# Altium PCB 控制板.PcbDoc (part 3 of 12)
Units mil, origin at the board's own origin, x right, y up, seen from the top; angles counter-clockwise.
Board outline 8150.4 x 2246.9 mil, 6 copper layers (TopLayer, MidLayer1, MidLayer2, MidLayer3, MidLayer4, BottomLayer); 1570 components, 853 nets, 4888 pads, 1859 vias.
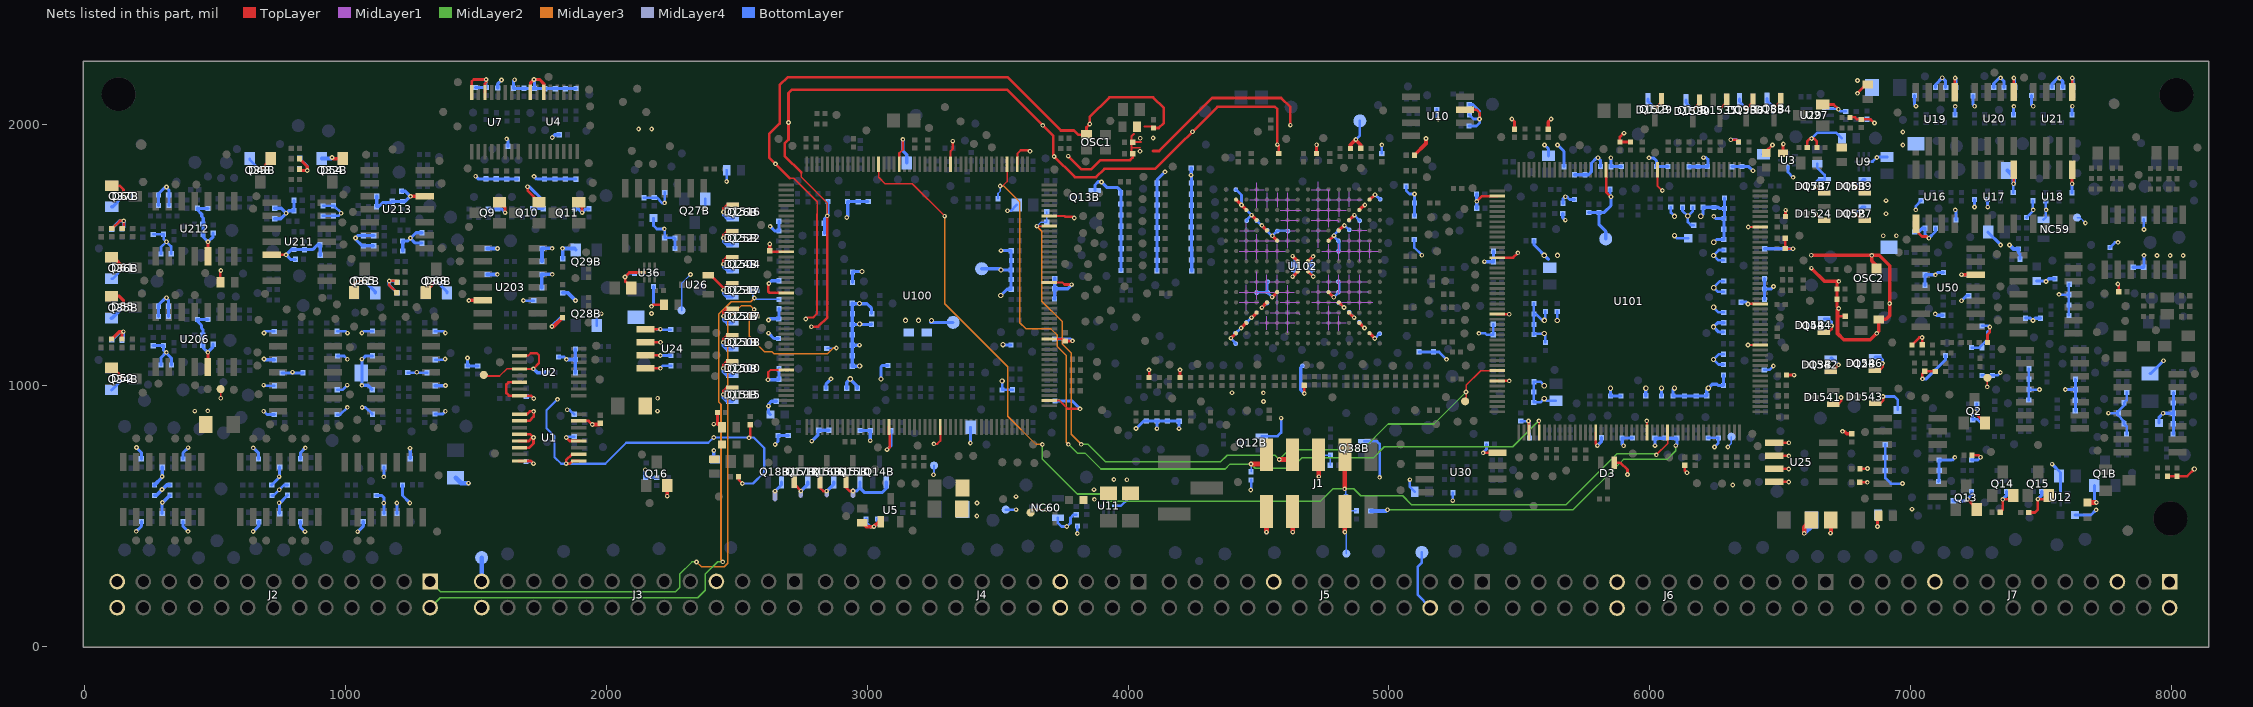
[diagram p7: the nets of this part, all layers, seen from the top]

## Via types
v1: diameter 18, hole 8, TopLayer to BottomLayer, tented both sides, 1737 vias
v2: diameter 20, hole 12, TopLayer to BottomLayer, tented both sides, 71 vias
v3: diameter 22, hole 12, TopLayer to BottomLayer, tented both sides, 51 vias

## Nets (pads, with @x,y where several pads share a name; then routed paths per layer and width w, separated by ;. In a path a pad name is that pad's centre, name@x,y a point inside that pad or via, vN(x,y) a via of type N, cw(c..) or ccw(c..) an arc to the next point about the centre after c; other vN are vias at no path point)
GND: C4.1 C5.2 C6.1 C7.1 C8.2 C9.1 C10.2 C11.2 C12.1 C13.2 C14.1 C15.2 C16.1 C17.2 C18.2 C19.1 C20.2 C21.2 C22.2 C23.1 C24.1 C25.1 C26.2 C27.2 C28.1 C29.1 C30.1 C31.1 C32.2 C33.1 C34.1 C35.2 C36.2 C37.2 C38.2 C39.1 C40.2 C41.1 C42.1 C43.2 C44.2 C45.2 C46.1 C47.1 C48.1 C49.1 C50.2 C51.1 C52.2 C53.1 C54.1 C55.1 C56.2 C57.1 C58.1 C59.1 C60.2 C61.2 C62.2 C63.1 C64.2 C65.1 C66.2 C67.1 C68.2 C100.1 C101.1 C102.2 C103.2 C104.1 C110.2 C111.2 C116.2 C123.2 C124.1 C126.2 C127.2 C128.2 C130.1 C131.1 C132.1 C133.2 C134.1 C135.2 C136.1 C137.1 C138.1 C140.2 C141.1 C142.2 C143.1 C144.2 C145.2 C146.1 C147.1 C148.1 C149.1 C150.1 C151.1 C152.1 C153.2 C154.2 C155.1 C156.1 C157.2 C158.1 C159.1 C160.2 C161.2 C162.1 C163.1 C164.2 C165.2 C167.2 C168.1 C169.1 C170.2 C171.1 C172.1 C173.1 C174.1 C175.2 C176.1 C177.1 C178.1 C179.1 C180.2 C181.1 C182.1 C183.1 C184.1 C185.2 C186.1 C187.2 C188.1 C189.1 C190.2 C191.2 C192.2 C193.2 C194.1 C195.1 C196.1 C197.1 C198.2 C199.2 C200.2 C201.2 C202.1 C203.1 C204.1 C205.1 C206.1 C207.2 C208.1 C209.1 C210.1 C211.1 C212.1 C213.1 C214.1 C215.1 C216.1 C217.1 C218.1 C219.1 C220.1 C221.1 C222.1 C223.2 C224.2 C225.2 C226.2 C227.2 C228.2 C229.2 C230.2 C231.1 C232.1 C233.2 C234.2 C235.2 C236.2 C237.2 C238.2 C239.2 C240.2 C241.2 C242.2 C243.2 C244.1 C245.1 C246.1 C247.2 C248.2 C249.2 C250.1 C251.1 C252.2 C253.1 C254.1 C255.2 C256.1 C257.1 C258.2 C259.1 C260.1 C261.1 C262.1 C263.2 C264.1 C265.1 C266.2 C267.2 C268.1 C269.2 C270.2 C271.2 C272.1 C273.1 C274.2 C275.2 C276.1 C277.2 C278.2 C279.1 C280.1 C281.1 C282.1 C283.1 C284.1 C285.1 C286.2 C287.2 C288.2 C289.2 C290.2 C300.1 C301.1 C302.1 C303.1 C304.1 C305.1 C306.1 C307.1 C308.1 C309.1 C310.1 C311.1 C312.1 C313.1 C314.1 C315.1 C316.1 C317.1 C318.1 C319.1 C320.1 C321.1 C322.1 C323.2 C324.2 C325.2 C326.1 C327.1 C328.1 C329.2 C330.2 C331.2 C332.1 C333.1 C334.1 C335.1 C336.1 C337.1 C338.2 C339.2 C340.2 C341.1 C342.1 C343.1 C344.1 C345.1 C346.1 C347.1 C348.1 C349.1 C350.2 C351.1 C352.1 C353.1 C354.1 C355.1 C356.1 C357.1 C358.2 C359.2 C360.1 C361.1 C362.1 C363.1 C364.1 C365.1 C366.2 C367.2 C368.2 C369.1 C370.1 C371.2 C372.2 C373.2 C374.2 C375.2 C376.2 C377.2 C378.2 C379.2 C380.1 C381.2 C382.2 C383.1 C384.2 C385.2 C387.1 C388.1 C389.2 C390.2 C391.2 C392.2 C393.2 C394.2 C395.2 C396.2 C397.1 C398.1 C399.2 C400.2 C401.2 C402.2 C403.2 C404.2 C405.2 C406.2 C407.2 C408.2 C409.2 C410.1 C411.1 C413.1 C414.2 C415.1 C416.1 C417.1 C418.2 C419.1 C420.1 C421.2 C422.2 C423.1 C424.1 C425.2 C428.2 C429.1 C430.2 C431.1 C433.1 C434.2 C438.1 C439.1 C440.2 C442.1 C443.1 C444.2 C446.1 C447.2 C448.2 C449.1 C450.2 C451.2 C452.2 C453.1 C454.2 C455.2 C456.1 C457.1 C458.2 C459.2 C460.1 C461.2 C462.2 C463.1 C465.2 C466.2 C467.1 C469.1 C470.2 C473.2 C474.1 C475.1 C476.2 C477.2 C478.1 C479.2 C480.1 C481.2 C482.1 C483.1 C484.2 C485.2 C486.1 C487.2 C488.1 C492.2 C493.1 C495.1 C496.1 C497.1 C498.2 D3.1 D48.1 D52.1 D54.1 D55.1 D60.1 D61.1 D65.1 D68.1 D1500.1 D1504.1 D1506.1 D1507.1 D1508.1 D1510.1 D1513.1 D1515.1 D1516.1 D1517.1 D1522.1 D1524.1 D1527.1 D1529.1 D1530.1 D1534.1 D1535.1 D1536.1 D1537.1 D1539.1 D1541.1 D1542.1 D1543.1 D1544.1 D1546.1 J1.8 J1.10 J2.25 J2.26 J3.7 J3.25 J3.26 J4.7 J4.8 J5.6 J5.17 J6.17 J6.18 J7.1 J7.2 J7.5 J7.19 NC1.1 NC13.2 NC21.1 NC26.2 NC31.2 NC39.1 NC40.1 NC45.1 NC46.1 NC47.1 NC50.1 NC52.2 NC53.1 NC54.1 NC55.2 NC56.1 NC57.1 NC59.2 NC60.2 NC61.2 OSC1.2 OSC2.2 pad.14@521.1,986.7 pad.85@1529.9,1040.5 pad.102@2288.4,1287.8 pad.144@3256.1,693.4 pad.145@3531.1,524.2 pad.183@3626.3,513 pad.286@7294.9,1029.6 pad.295@7639,1643.8 pad.362 Q1B.2 Q2.2 Q2B.1 Q3B.1 Q4B.1 Q5B.1 Q6B.1 Q7B.1 Q8B.1 Q9.2 Q9B.1 Q10.2 Q10B.1 Q11.2 Q11B.1 Q12B.1 Q13.2 Q13B.1 Q14.2 Q14B.1 Q15.2 Q15B.1 Q16.2 Q16B.1 Q17B.1 Q18B.1 Q19B.1 Q20B.1 Q21B.1 Q22B.1 Q23B.1 Q24B.1 Q25B.1 Q26B.1 Q27B.2 Q28B.1 Q29B.1 Q30B.1 Q31B.1 Q32B.1 Q33B.1 Q34B.1 Q35B.1 Q36B.1 Q37B.1 Q38B.1 R19.2 R30.1 R40.1 R42.2 R52.1 R53.1 R58.2 R96.1 R108.2 R111.2 R125.1 R190.1 R193.2 R196.2 R199.2 R250.1 R251.1 R252.1 R260.1 R261.1 R262.1 R263.1 R266.2 R270.2 R279.1 R280.2 R288.2 R292.2 R294.1 R298.1 R303.1 R305.1 R310.2 R321.2 R330.1 R352.2 R367.2 R369.1 R370.1 R373.1 R375.1 R378.2 R379.2 R380.2 R381.2 R382.2 R387.2 R388.2 R390.2 R394.2 R395.2 R399.1 R400.1 R401.2 R402.2 R403.2 R404.1 R405.2 R407.2 R413.2 R416.2 R417.2 R418.2 R425.1 R426.1 R430.1 R451.1 R452.2 R471.1 R477.1 R481.1 R482.1 R483.1 R496.2 R497.2 R500.2 R504.2 R505.2 R506.2 R507.2 R508.2 R540.2 R543.2 R550.1 R565.2 R566.2 R577.2 R578.2 R579.2 R580.2 R581.2 R582.2 R592.1 R594.2 R596.2 R606.2 R607.2 R610.2 R611.2 R616.2 R618.2 R619.2 R622.2 R625.2 R636.2 R638.2 R639.1 R641.2 R664.1 R666.1 R669.2 R675.2 R676.2 R677.1 R679.2 R687.2 R690.2 R695.2 R698.2 R706.1 R709.1 R713.1 R716.1 R742.1 R744.1 R745.2 R749.1 R752.2 R755.1 R761.1 R767.2 R768.2 R771.2 R773.1 R776.2 R782.2 R783.1 R792.2 R793.2 R796.1 R797.2 R799.2 R800.1 R803.2 TP191.1 TP204.1 TP1100.1 TP1106.1 TP1521.1 TP1522.1 U1.1 U1.2 U1.4 U1.5 U1.6 U1.8 U1.9 U1.10 U1.12 U1.15 U2.2 U2.4 U2.6 U2.8 U3.8 U4.6 U4.8 U5.1 U7.6 U7.8 U9.8 U10.3 U11.8 U12.8 U16.1 U17.1 U18.1 U19.1 U20.1 U21.1 U24.1 U24.2 U24.3 U24.4 U25.1 U25.2 U25.3 U25.4 U26.2 U27.1 U29.2 U30.4 U36.8 U50.12 U100.14 U100.22 U100.37 U100.61 U100.71 U100.90 U100.102 U100.113 U100.126 U100.135 U100.148 U100.158 U101.14 U101.22 U101.37 U101.61 U101.71 U101.90 U101.102 U101.113 U101.126 U101.135 U101.148 U101.158 U102.B2 U102.B15 U102.C3 U102.C14 U102.D4 U102.D13 U102.E5 U102.E12 U102.F6 U102.F11 U102.H8 U102.H9 U102.J8 U102.J9 U102.L6 U102.L11 U102.M5 U102.M12 U102.N4 U102.N13 U102.P3 U102.P14 U102.R2 U102.R15 U203.12 U206.12 U211.12 U212.12 U213.12 | length 54374.4
  TopLayer w6: pad.14@521.1,986.7 521.5,986.3 v1(521.5,951.3) ; pad.85@1529.9,1040.5 1533.9,1036.5 1590.4,1036.5 1617.51,1063.61 U2.4@1666.5,1063.61 ; 2703.4,1794.4 2718.2,1794.4 2808,1704.6 2808,1656.5 ; 2747.4,1816.1 2747.4,1799.8 2846.9,1700.3 v1(2846.9,1650.5) ; pad.183@3626.3,513 3637.5,524.2 v1(3686.5,524.2) ; 4013.6,1911.3 4047.6,1911.3 ; v1(6377.1,1155.7) 6377.29,1155.51 U101.14@6424,1155.51 ; v1(7294.4,995) 7294.9,995.5 pad.286@7294.9,1029.6
  TopLayer w8: U2.4@1666.5,1063.61 1718.91,1063.61 1741.5,1086.2 1741.5,1116.3 1734,1123.8 1709.4,1123.8 1700.47,1114.87 U2.2@1666.5,1114.87 ; 2619.9,1050.5 2629.54,1060.14 U100.37@2689,1060.14 ; C50.2@2626.5,1516.5 2630.11,1512.89 U100.14@2689,1512.89 ; v1(2764.4,1255) 2769.9,1260.5 2792.2,1260.5 2807.1,1275.4 2807.1,1655.6 2808,1656.5 ; U100.158@3122.73,1848.5 3122.73,1890.83 3136.5,1904.6 ; v1(3255.3,776.3) 3268.4,776.3 3280.21,788.11 U100.71@3280.21,840.8 ; U100.148@3319.58,1848.5 3319.58,1898.98 3328,1907.4 ; U100.135@3575.49,1848.5 3575.49,1888.18 3589.4,1902.1 ; U100.90@3697.8,942.03 3737.87,942.03 3769.2,910.7 ; U100.102@3697.8,1178.25 3752.45,1178.25 C43.2@3759.4,1171.3 ; U100.113@3697.8,1394.78 3749.12,1394.78 3757.2,1386.7 ; U100.126@3697.8,1650.69 3756.71,1650.69 3760.3,1647.1 ; C42.1@4017.8,1888.4 4013.4,1892.8 4013.4,1955.7 4021.9,1964.2 ; C41.1@4017.8,1933 4048.7,1933 ; 4064,1993 4091.9,1993 C39.1@4097.4,1987.5 ; U101.148@5793.42,819.9 5793.42,775.58 v1(5799.6,769.4) ; v1(5988.8,864.8) 5990.27,863.33 U101.158@5990.27,819.9 ; U101.61@6029.64,1827.6 6029.64,1766.06 v1@6048.6,1747.1 ; v1(6378,1608.2) 6378.06,1608.26 U101.37@6424,1608.26
  TopLayer w10: R196.2@103.6,1602.1 105.3,1602.1 134.5,1631.3 v1(149.4,1631.3) 149,1630.9 149,1607.5 C65.1@143.6,1602.1 ; D60.1@103.6,1766.3 133.2,1766.3 148.6,1750.9 v1(148.6,1726.7) ; U212.12@472.53,1495.5 472.53,1550.63 v1(472.8,1550.9) ; C63.1@519.9,1396.7 519.9,1439.3 v1(521.9,1441.3) ; U211.12@716.6,1501.17 771.63,1501.17 v1(771.9,1500.9) ; D65.1@1032.4,1356.3 1032.4,1386.7 1046.2,1400.5 v1(1072.8,1400.5) ; R190.1@1196.5,1355.9 1196.5,1356.3 1167.4,1385.4 v1(1167.4,1400.9) 1168.2,1401.7 1191.1,1401.7 C67.1@1196.9,1395.9 ; U7.8@1483.4,2123.8 1483.4,2164.9 1491.9,2173.4 v1(1539,2173.4) 1539,2162.5 1534.66,2158.16 U7.6@1534.66,2123.8 ; U1.8@1666.5,710.6 1710.2,710.6 v1(1720.3,700.5) ; U1.6@1666.5,761.86 1704.66,761.86 1720.7,777.9 1720.7,800.9 1708.49,813.11 U1.4@1666.5,813.11 ; U1.5@1666.5,787.49 1702.69,787.49 1715.7,800.5 v1(1720.7,800.5) ; U1.2@1666.5,864.37 1704.67,864.37 1721.1,880.8 v1(1721.1,900.9) 1706.5,900.9 1695.6,890 U1.1@1666.5,890 ; U2.6@1666.5,1012.36 1624.66,1012.36 1616.5,1004.2 1616.5,970.9 1626.3,961.1 1710.9,961.1 v1(1721.5,950.5) ; v1(1697.8,1762.1) 1697.8,1747.7 1742.2,1703.3 Q10.2@1742.4,1703.3 ; v1(1846.1,800.5) 1859.11,787.49 U1.12@1894,787.49 ; U1.9@1894,710.6 1870,710.6 1859.9,700.5 v1(1845.7,700.5) 1845.7,714.4 1867.53,736.23 U1.10@1894,736.23 ; U1.15@1894,864.37 1931.83,864.37 v1@1945.3,850.9 ; C58.1@2096.1,1374.2 2096.1,1375.4 2072.8,1398.7 2072.8,1418.2 2088,1433.4 U36.8@2140.5,1433.4 ; U24.4@2149.9,1066.5 2206.3,1066.5 v1(2206.9,1065.9) ; U24.3@2149.9,1116.3 2206.1,1116.3 v1(2206.9,1115.5) ; U24.2@2149.9,1166.1 2207.2,1166.1 v1(2207.4,1165.9) ; U24.1@2149.9,1215.9 2206.5,1215.9 v1(2206.9,1216.3) ; v1(2173.2,1303.8) 2178.6,1309.2 C57.1@2220.3,1309.2 ; U26.2@2390.1,1423.1 2399.7,1423.1 2449,1373.8 v1(2449,1365.9) 2449,1373.1 2467.2,1391.3 D1517.1@2482.4,1391.3 ; 2425.9,850.6 C52.2@2425.9,896.9 ; v1(2447.8,965.3) 2447.8,978.4 2460.3,990.9 D1515.1@2482.4,990.9 ; v1(2448.2,1065.9) 2448.2,1079.4 2460.1,1091.3 D1500.1@2482.4,1091.3 ; v1(2448.2,1165.5) 2448.2,1178.8 2461.5,1192.1 D1508.1@2482.8,1192.1 ; v1(2448.6,1465.5) 2448.6,1479.8 2460.1,1491.3 D1504.1@2483,1491.3 ; v1(2448.6,1565.9) 2448.6,1577.9 2461.8,1591.1 D1522.1@2483,1591.1 ; v1(2448.6,1665) 2448.6,1678.6 2461.7,1691.7 D1516.1@2483.6,1691.7 ; v1(2449,1265.9) 2449,1282.3 2458.8,1292.1 D1507.1@2483.6,1292.1 ; C55.1@2506.9,650 2506.9,638.8 v1(2521.1,624.6) ; v1(2546.5,799.6) 2551.7,804.8 C51.1@2551.7,849.6 ; v1(2619.9,1022.1) 2619.9,1050.5 ; v1(2622.8,1391.3) 2620.7,1389.2 2620.7,1360.2 2625.49,1355.41 U100.22@2689,1355.41 ; 2703.4,1794.4 2624,1873.8 2624,1963.6 2664.4,2004 2664.4,2151.4 2695.5,2182.5 3538,2182.5 3742.7,1977.8 3792.7,1977.8 3808.8,1961.7 OSC1.2@3840.8,1961.7 3840.8,1990.1 v1(3853.2,2002.5) 3853.2,2029.6 3928.4,2104.8 4096.3,2104.8 4137.1,2064 4137.1,2007.3 4117.3,1987.5 C39.1@4097.4,1987.5 ; D1513.1@2720.3,630.5 2720.3,622.1 2746.1,596.3 2746.1,595.4 v1(2745.7,595) ; 2747.4,1816.1 2683.8,1879.7 2683.8,1928.4 2698.2,1942.8 2698.2,2121.7 2710.9,2134.4 3536.3,2134.4 3712.8,1957.9 3712.8,1882.5 3796.1,1799.2 3877.8,1799.2 3909.5,1830.9 4104.2,1830.9 4342.1,2068.8 4563.2,2068.8 4572.6,2059.4 v1(4572.6,1923.4) 4577.6,1918.4 R125.1@4577.6,1889.6 ; v1(2785.7,1225.5) 2812.2,1225.5 2846.9,1260.2 v1(2846.9,1650.5) ; D1506.1@2819,630 2819,607.5 2831.5,595 v1(2844.4,595) ; D1510.1@2919,630.9 2919,608.4 2931.9,595.5 v1(2945.3,595.5) ; v1(3075.7,754.2) 3086.5,765 3086.5,811.4 3083.36,814.54 U100.61@3083.36,840.8 ; 3136.5,1904.6 v1(3136.5,1943.8) ; 3328,1907.4 v1(3328,1937.1) ; 3589.4,1902.1 3620.3,1902.1 v1(3624,1898.4) ; 3760.3,1647.1 3788.8,1647.1 v1(3793.8,1642.1) ; 3769.2,910.7 v1(3816.1,910.7) ; v1(3770.7,1879.6) 3821.5,1828.8 3858.6,1828.8 3893.8,1864 4008.2,1864 4017.8,1873.6 C42.1@4017.8,1888.4 ; R111.2@4080.7,1030.8 v1(4080.7,1060.3) ; 4095.7,1899.2 4119,1899.2 4322.3,2102.5 4587,2102.5 4622.4,2067.1 v1(4622.4,1998.4) ; R108.2@4199.2,1031 4199.2,1059.6 v1(4199.6,1060) ; R96.1@4675.3,1001.3 4676.1,1000.5 v1(4676.1,969.2) ; U10.3@5291.9,2057.6 5336.1,2057.6 5347.8,2045.9 v1(5347.8,2021.9) ; v1(5336.9,1706.3) 5356.97,1726.37 U101.90@5415.2,1726.37 ; v1(5361.5,742.1) 5361.7,741.9 U30.4@5416.5,741.9 ; U101.126@5415.2,1017.71 5461.61,1017.71 v1(5461.7,1017.8) ; U101.113@5415.2,1273.62 5461.28,1273.62 v1(5461.5,1273.4) ; U101.102@5415.2,1490.15 5475.95,1490.15 v1(5494.4,1508.6) ; v1(5535.3,864) 5537.51,861.78 U101.135@5537.51,819.9 ; U101.71@5832.79,1827.6 5832.79,1742.91 v1(5851.9,1723.8) ; D3.1@5864.4,703.8 5888.6,703.8 5915.1,677.3 v1(5915.1,659) ; v1(5901.5,1967.8) 5899.7,1967.8 5885.7,1953.8 5885.7,1939.4 5891.3,1933.8 C33.1@5926.5,1933.8 ; v1(6020.1,2063.2) 6021.6,2063.2 6045.7,2087.3 D1529.1@6045.7,2096.7 ; R58.2@6134.6,694.1 6134.6,673.7 v1(6142.8,665.5) ; v1(6165.7,2058.2) 6190.9,2083.4 D1530.1@6190.9,2091.9 ; v1(6270.1,2060.3) 6295.3,2085.5 D1535.1@6295.3,2094.8 ; v1(6310.9,1942.5) 6332,1942.5 C19.1@6340.9,1933.6 ; v1(6371.3,2062.1) 6396.3,2087.1 D1536.1@6396.3,2095.7 ; v1(6376.9,1312.8) 6377.09,1312.99 U101.22@6424,1312.99 ; C18.2@6446.9,1890.9 6446.9,1898.7 v1(6470.7,1922.5) ; v1(6477.1,2063) 6502.4,2088.3 D1534.1@6502.4,2096.7 ; U25.4@6477.8,631.1 6532.6,631.1 v1(6533.4,630.3) ; U25.3@6477.8,680.9 6532.6,680.9 v1(6533.2,680.3) ; U25.2@6477.8,730.7 6533.6,730.7 v1(6533.8,730.5) ; U25.1@6477.8,780.5 v1(6533.8,780.5) ; C17.2@6511.3,1890.9 6511.3,1924.6 v1(6512.4,1925.7) ; C21.2@6520.2,1564.6 6520.2,1525.4 6521,1524.6 v1(6549.9,1524.6) ; C16.1@6603.8,1913 6603.8,1935.5 6615.6,1947.3 6629.5,1947.3 6641.2,1935.6 C15.2@6641.2,1912.8 ; v1(6635.5,1763.2) 6660.7,1738 D1537.1@6669.4,1738 ; v1(6635.7,1659.2) 6661.5,1633.4 D1524.1@6669.4,1633.4 ; U29.2@6663.6,2077.5 6705.3,2077.5 v1(6723.4,2059.4) ; D1544.1@6667.8,1204.6 6686.1,1204.6 6697.8,1216.3 v1(6697.8,1229.4) ; 6720.4,1265.8 C26.2@6749.9,1265.8 ; C14.1@6768.4,2028 6788.1,2028 6795.2,2020.9 6847.5,2020.9 v1(6861.7,2006.7) ; v1(6790.7,1658.6) 6815.9,1633.4 D1527.1@6824.4,1633.4 ; v1(6791.1,1763.4) 6816.1,1738.4 D1539.1@6824.4,1738.4 ; v1(6796.5,2120.3) 6796.5,2120.8 6829.3,2153.6 C11.2@6836.3,2153.6 ; C29.1@6805.3,629.2 6834.4,629.2 v1(6834.6,629) ; C28.1@6806.1,681.3 6834.7,681.3 v1(6835.1,681.7) ; C10.2@7005.3,1155.6 7005.3,1156.1 7033.6,1184.4 v1(7044.6,1184.4) 7044.9,1184.1 R40.1@7044.9,1156.1 ; U16.1@7021.1,1620.5 7021.1,1594.8 7044.4,1571.5 7063.4,1571.5 v1(7070.3,1564.6) ; v1(7045.7,1025.5) 7045.7,1045.4 7054.6,1054.3 R42.2@7094.9,1054.3 ; U19.1@7170.3,2124.2 7170.3,2178 v1(7171.1,2178.8) ; NC61.2@7236.1,732.5 7261.5,732.5 v1(7269,725) ; C8.2@7295.2,1165 7295.2,1195.8 7304.4,1205 v1(7304.4,1224.6) ; C7.1@7344,514.2 7353.6,523.8 v1(7353.6,563.8) 7354,563.4 7379,563.4 7394.4,578.8 Q14.2@7394.4,579.2 ; U17.1@7395.3,1827.1 7395.3,1774.2 v1(7395.7,1773.8) ; U20.1@7395.3,2125.5 7395.3,2178 v1(7396.1,2178.8) ; C6.1@7453.6,513.4 7476.5,513.4 7488.2,525.1 7488.2,565.1 7489.5,563.8 7514.8,563.8 Q15.2@7530.2,579.2 ; U18.1@7619.4,1827.1 7619.4,1774.3 v1(7619.9,1773.8) ; U21.1@7619.9,2125.5 7619.9,2178.4 v1(7620.3,2178.8) ; v1(7794.9,1389.6) 7798.6,1385.9 C4.1@7798.6,1359.6 ; R19.2@7984.9,652.2 8060.4,652.2 v2(8088.2,680)
  TopLayer w12: D52.1@102.8,1067.5 107.4,1067.5 v1(147.4,1027.5) ; R199.2@102.8,1177.9 103.2,1177.9 132,1206.7 v1(148.2,1206.7) 143.2,1201.7 C66.2@143.2,1177.9 ; D55.1@103.2,1343 132.3,1343 148.2,1327.1 v1(148.2,1302.5) ; v1(471.9,1127.1) 472.03,1126.97 U206.12@472.03,1071.3 ; v1(673.6,1825) 673.6,1826.3 713.2,1865.9 D48.1@713.2,1870 ; C62.2@823.1,1829.6 828.1,1824.6 v1(853.2,1824.6) 853.2,1839.7 823.3,1869.6 R193.2@823.1,1869.6 ; v1(948.2,1874.2) 952.8,1869.6 D54.1@988.6,1869.6 ; v1(1248.6,1725.5) 1303.87,1725.5 U213.12@1304,1725.63 ; Q9.2@1590.7,1703.3 1611.9,1682.1 v1(1611.9,1663) ; U4.8@1708.4,2124.6 1708.4,2159 1723.2,2173.8 1743.6,2173.8 1759.66,2157.74 U4.6@1759.66,2124.6 ; Q11.2@1894,1702.5 1906.9,1689.6 v1(1906.9,1663) ; v1(2233.2,575.9) Q16.2@2233.2,616.7 ; C50.2@2626.5,1516.5 v1(2626.5,1543) ; 3757.2,1386.7 v1(3784,1386.7) ; C43.2@3759.4,1171.3 v1(3787.1,1171.3) ; v1(4394.2,1181.7) U102.B15@4414.32,1200.87 ; U102.R15@4414.32,1712.68 U102.P14@4453.69,1673.31 ; v1(4433.6,1220.7) U102.C14@4453.69,1240.24 ; v1(4473.4,1260.3) 4473.75,1260.3 U102.D13@4493.06,1279.61 ; v1(4473.8,1653.2) U102.N13@4493.06,1633.94 ; v1(4513,1298.8) U102.E12@4532.43,1318.98 ; v1(4513.2,1614.2) U102.M12@4532.43,1594.57 ; v1(4552.6,1338.8) U102.F11@4571.8,1358.35 ; v1(4553.2,1574.2) U102.L11@4571.8,1555.2 ; v1(4631.1,1417.5) U102.H9@4650.54,1437.09 ; v1(4631.1,1496.1) U102.J9@4650.54,1476.46 ; U102.H8@4689.91,1437.09 v1(4710.3,1418) ; U102.J8@4689.91,1476.46 v1(4709.9,1495.5) ; C38.2@4723,1889.4 v1(4723,1923.2) ; U102.F6@4768.65,1358.35 v1(4788.8,1338.6) ; U102.L6@4768.65,1555.2 v1(4789.9,1574.8) ; U102.E5@4808.02,1318.98 v1(4828,1299.4) ; U102.M5@4808.02,1594.57 v1(4829.2,1613.8) ; U102.D4@4847.39,1279.61 v1(4867.1,1260.3) ; U102.N4@4847.39,1633.94 v1(4867.8,1653.2) ; U102.C3@4886.76,1240.24 v1(4906.3,1220.7) ; U102.P3@4886.76,1673.31 v1(4907.8,1692.3) ; U102.B2@4926.13,1200.87 v1(4946.1,1180.7) ; U102.R2@4926.13,1712.68 v1(4946.7,1731.5) ; v1(5471.7,2022.1) 5481.5,2012.3 R53.1@5481.5,1982.8 ; R52.1@5611.3,1983 5611.3,2010.9 v1(5622.1,2021.7) ; C20.2@6520.6,1648 6520.6,1671.4 v1(6521.5,1672.3) ; R30.1@6524.4,1040.5 6553.3,1040.5 v1(6554,1039.8) ; D1542.1@6693.6,1053.8 6698.4,1053.8 v1(6723.8,1079.2) ; D1541.1@6704,928.4 6720.5,928.4 6733.6,941.5 v1(6733.6,954.4) ; v1(6724.9,1295) 6718.6,1301.3 6718.6,1392.7 v1(6725.5,1399.6) ; v1(6739.4,824.4) 6746.6,824.4 6755.8,815.2 C27.2@6774.4,815.2 ; D1546.1@6863.6,1058.8 6880.1,1058.8 6892.6,1071.3 v1(6892.6,1085) ; D1543.1@6864.9,932.1 6882.7,932.1 6894.4,943.8 v1(6894.4,958) ; v1(6873.6,459.2) 6873.6,496.7 C30.1@6877.8,500.9 ; v1(7195.3,1425) 7195.57,1424.73 U50.12@7250.2,1424.73 ; v1(7218.6,564.2) 7254,528.8 Q13.2@7254,524.6 ; v1(7245.3,899.6) 7245.3,896.7 Q2.2@7285.7,856.3
  TopLayer w14: D61.1@102.8,1492.5 108.6,1492.5 v1(149,1452.1) ; D68.1@1307.8,1356.3 1307.8,1362.1 v1(1347.4,1401.7) ; v1(1472.8,1326.3) 1473.07,1326.57 U203.12@1526.1,1326.57 ; v1(1791.1,1226.3) 1797.6,1226.3 1831.7,1260.4 C61.2@1831.7,1261.1 ; v1@1945.3,850.9 1971.9,850.9 C60.2@1976.1,855.1 ; C49.1@2981.1,473.8 2982.4,473.8 2997,459.2 3026.1,459.2 3044.4,477.5 U5.1@3052.8,477.5 ; C37.2@4853.2,1909 4853.2,1922.8 v1(4873.4,1943) 4873.4,1941.7 4892.6,1922.5 C36.2@4892.6,1909.4 ; C35.2@5097.9,1883.2 5097.9,1883.3 5142.6,1928 v1(5142.6,1947.3) ; v1(6619.4,1499.6) 6879.9,1499.6 6920.3,1459.2 6920.3,1268.4 6905.7,1253.8 C25.1@6877.8,1253.8 6878.6,1253 6878.6,1208.4 6846.1,1175.9 6743.6,1175.9 6720.3,1199.2 6720.3,1290.4 v1(6724.9,1295) ; v1(6619.9,1450) 6670.3,1399.6 v1(6725.5,1399.6) ; v1(6851.3,1499) 6851.3,1477.8 6869.4,1459.7 OSC2.2@6869.4,1447.4
  TopLayer w16: v1(6592.8,433.2) 6592.8,456.6 C32.2@6620,483.8 ; v1(6693,434) 6694.9,435.9 C31.1@6694.9,484.2
  TopLayer w18: J1.10@4530.2,517.2 4531.1,516.3 v1(4531.1,438) ; J1.8@4630.62,517.2 4631.5,516.32 v1(4631.5,437.8) ; C5.2@7678.6,551.7 7679,551.3 v1(7712.4,551.3)
  MidLayer1 w4: 4426.46,1515.3 4602.6,1515.3 ; 4426.63,1318.86 4500.79,1318.86 ; 4427.01,1358.47 4637.49,1358.47 ; 4427.03,1554.46 4641.13,1554.46 ; 4428.02,1594.27 4486.43,1594.27 ; 4453.6,1287.5 4453.6,1385.5 ; 4453.64,1480.04 4453.64,1621.84 ; 4466.26,1750.86 4523.04,1750.86 ; 4466.65,1397.55 4600.42,1397.55 ; 4467.11,1711.81 4641.88,1711.81 ; 4493.44,1484.84 4493.44,1580.68 ; 4493.54,1331.43 4493.54,1436.36 ; 4493.62,1681.99 4493.62,1778.29 ; 4505.46,1240.62 4639.59,1240.62 ; 4531.84,1213.53 4531.84,1266.33 ; 4532.7,1367.31 4532.7,1424.57 ; 4532.96,1486.86 4532.96,1542.4 ; 4533.7,1681.75 4533.7,1738.77 ; 4545.5,1279.84 4652.96,1279.84 4658.6,1274.2 ; 4572.01,1214.43 4572.01,1424.81 ; 4572.49,1485.96 4572.49,1542.81 ; 4573.14,1682.81 4573.14,1738.67 ; 4583.74,1672.75 4660.05,1672.75 4663.2,1669.6 ; 4584.4,1318.8 4655.7,1318.8 ; 4584.88,1594.19 4641.79,1594.19 ; 4585.16,1633.51 4653.31,1633.51 ; 4611.63,1201.53 4611.63,1385.01 ; 4612.41,1526.38 4612.41,1738.81 ; 4702.09,1751.54 4773.36,1751.54 ; 4702.51,1358.7 4922.2,1358.7 ; 4702.51,1633.42 4803.98,1633.42 4808.6,1628.8 ; 4703.06,1672.79 4835.93,1672.79 ; 4703.4,1594.24 4760.4,1594.24 ; 4703.69,1712.43 4898.4,1712.43 ; 4703.8,1319.23 4937.88,1319.23 ; 4729.32,1527.96 4729.32,1781.69 ; 4729.89,1290.41 4729.89,1385.77 ; 4741.04,1279.65 4814.05,1279.65 ; 4741.83,1397.59 4917.26,1397.59 ; 4742.1,1515.46 4959.44,1515.46 ; 4742.56,1240.38 4836.47,1240.38 ; 4768.86,1306.38 4768.86,1279.74 4769.39,1279.21 4769.39,1212.88 ; 4769.12,1366.58 4769.12,1424.84 ; 4769.24,1486.17 4769.24,1540.89 ; 4769.89,1606.96 4769.89,1751.29 ; 4808.1,1210.6 4808.1,1266.71 ; 4808.6,1351.74 4808.6,1424.5 ; 4808.84,1480.74 4808.84,1542.94 ; 4809.16,1647.32 4809.16,1743.56 ; 4821,1554.95 4932.45,1554.95 ; 4848.4,1328.55 4848.4,1423.9 ; 4848.74,1481.96 4848.74,1582.38 ; 4848.88,1684.76 4848.88,1742.15 ; 4860.51,1594.46 4915.68,1594.46 ; 4887.61,1290.37 4887.61,1424.92 ; 4887.84,1476.34 4887.84,1621.44 ; 4927.09,1488.59 4927.09,1545.13
  MidLayer2 w6: v1(4995.1,523.6) 5706.4,523.6 5899.5,716.7 6067,716.7 6099.9,749.6 v1(6099.9,769.4)
  MidLayer4 w18: 2646.5,564.6 v1(2646.5,595) ; 2745.7,578 v1(2745.7,595) ; 2844.4,580.1 v1(2844.4,595) ; 2945.3,577.9 v1(2945.3,595.5)
  BottomLayer w6: pad.102@2288.4,1287.8 2288.4,1391.1 v1(2322.8,1425.5) ; v1(3254,657.8) 3256.1,659.9 pad.144@3256.1,693.4 ; v1(6299.6,764.2) 6313.2,777.8 pad.362@6313.2,803.8 ; pad.295@7639,1643.8 7649.5,1643.8 v1(7670.3,1623)
  BottomLayer w8: v1(1812.4,947.1) 1770.3,905 1770.3,836.3 1801.1,805.5 1801.1,725.5 1826.6,700 1995.7,700 2076.2,780.5 2391.1,780.5 v1(2411.5,800.9) 2564.9,800.9 2605.3,760.5 2605.3,668 2561.9,624.6 v1@2525.2,624.6
  BottomLayer w10: Q36B.1@102.8,1409.2 106.1,1409.2 v1(149,1452.1) ; R800.1@262.8,1579.6 302.3,1579.6 C492.2@302.4,1579.7 302.4,1562.1 331.5,1533 C493.1@331.5,1505.5 ; R799.2@292.4,1504.6 292.4,1530.5 v1(313.2,1551.3) ; Q33B.1@631.9,1870 631.9,1866.7 v1(673.6,1825) ; v1(686.1,1001.3) 688.2,999.2 C452.2@727,999.2 ; v1(686.9,1201.3) 693.2,1207.6 C455.2@726.9,1207.6 ; C482.1@823.6,1830.9 829.9,1824.6 v1(853.2,1824.6) 853.2,1840.8 824,1870 R755.1@824,1871.3 ; C478.1@913.6,1650.5 973.2,1650.5 984,1661.3 956.5,1688.8 C479.2@914,1688.8 ; C425.2@967.4,888.7 979.3,888.7 v1(1006.9,916.3) ; C449.1@967.4,1208.4 999.9,1208.4 v1(1007.4,1200.9) ; C447.2@968.1,984.2 989.4,984.2 v1(1006.5,1001.3) ; C448.2@969,1113.4 994.4,1113.4 v1(1006.9,1100.9) ; v1(1062.4,1201.3) 1069.9,1208.8 C424.1@1103.2,1208.8 ; v1(1063.6,915.9) 1076.5,915.9 C423.1@1102.4,890 ; C420.1@1238.2,1049.6 1311.6,1049.6 C418.2@1312.4,1048.8 ; C416.1@1342.8,1208.4 1375.3,1208.4 v1(1382.4,1201.3) ; C419.1@1343.6,1099.2 1379.4,1099.2 v1(1381.9,1101.7) ; v1(1681.5,1326.3) 1682.3,1325.5 C383.1@1721.9,1325.5 ; C379.2@1692.4,958.4 1713.6,958.4 v1(1721.5,950.5) ; C377.2@1816.9,1109.3 1837.7,1109.3 v1@1847.4,1099.6 ; v1(1846.1,800.5) 1849.8,804.2 C371.2@1876.9,804.2 ; v1(1849.9,907.1) 1859.4,907.1 C372.2@1876.9,889.6 ; Q28B.1@1963.2,1229.6 1963.2,1258 v1(1980.7,1275.5) ; v1(2071.5,1416.3) 2085.2,1430 NC1.1@2108.2,1430 ; R594.2@2144.4,1720.4 2193.6,1720.4 2214,1700 2222.7,1700 2223.6,1700.9 C368.2@2223.6,1740.1 ; C367.2@2180.7,1641.7 2180.7,1612.9 2193.5,1600.1 2223.2,1600.1 C366.2@2223.2,1566.2 2259.1,1566.2 2263.2,1562.1 C365.1@2263.2,1525.5 ; 2195.7,1214.6 C362.1@2246.9,1214.6 ; v1(2206.9,1065.9) 2216.9,1075.9 C360.1@2247.8,1075.9 ; v1(2206.9,1115.5) 2207.4,1115 C361.1@2247.4,1115 ; v1(2373.2,1675.5) 2379,1681.3 Q27B.2@2379,1715 ; v1(2448.6,1665) 2448.6,1653.6 2463,1639.2 Q26B.1@2483.6,1639.2 ; v1(2461.1,1782.5) 2461.1,1825.5 C370.1@2461.5,1825.9 ; v1(3395.3,779.4) 3396.2,780.3 C324.2@3396.2,840 ; v2(3517.4,1017.5) 3517.4,983.8 3517.3,983.7 R496.2@3556.9,983.7 ; pad.145@3531.1,524.2 v1(3570.9,524.2) ; v1(3538.2,1670) 3550.4,1670 C325.2@3572.9,1692.5 ; NC60.2@3731.1,493.6 3731.1,473.8 3745.3,459.6 3766.5,459.6 3779.6,472.7 3779.6,492.7 3791.7,504.8 C322.1@3801.7,504.8 ; v1(3805.5,432.8) 3805.9,433.2 NC50.1@3805.9,461.1 ; U11.8@3950.5,539.1 3972.8,539.1 3999,565.3 ; v1(4110.7,834.6) 4111.1,835 C284.1@4111.1,864.2 ; v1(4394.2,1181.7) C280.1@4412.4,1160.5 ; C281.1@4412.1,1200.5 v1(4433.6,1220.7) ; C279.1@4413.2,1751.3 4434.9,1729.6 v1(4434.9,1692.1) 4552.8,1574.2 4572,1593.4 4611.5,1593.4 C274.2@4613,1591.9 ; C273.1@4454.2,1241.7 v1(4473.4,1260.3) ; C278.2@4454.6,1631.7 4454.6,1634 v1(4473.8,1653.2) ; v1(4470.5,599.2) 4471.9,600.6 NC13.2@4471.9,638.2 ; C272.1@4493.4,1356.1 4495.7,1358.4 4533,1358.4 v1(4552.6,1338.8) ; v1(4513,1298.8) C269.2@4533,1316.7 ; Q12B.1@4513.2,805.9 4573.6,805.9 4586.9,819.2 v1(4586.9,874.8) ; C270.2@4535.1,1358.4 4533,1360.5 4533,1395.5 C271.2@4535.5,1398 ; v1(4631.1,1417.5) 4639.9,1426.3 4639.9,1487.3 v1(4631.1,1496.1) ; v1(4709.9,1495.5) 4701.5,1487.1 4701.5,1426.8 v1(4710.3,1418) ; v1(4788.8,1338.6) 4809.4,1359.2 4809.4,1394.7 C257.1@4806.1,1398 ; C259.1@4806.9,1515 4809,1517.1 4809,1552.1 4789.9,1571.2 4789.9,1577.8 C267.2@4808.2,1596.1 ; C255.2@4808.2,1316.9 v1(4828,1299.4) ; v1(4829.2,1613.8) C266.2@4848.2,1596.9 ; C254.1@4847.8,1281.3 4867.1,1262 v1(4867.1,1260.3) ; v1(4867.8,1653.2) C265.1@4887.8,1631.7 ; v1(4873.4,1943) 4889,1958.6 TP1522.1@4889,2014.6 ; C253.1@4886.5,1242.1 v1(4906.3,1220.7) ; Q38B.1@4906.1,785.9 4955,785.9 4964.9,776 v1(4964.9,648) ; v1(4946.1,1180.7) C252.2@4964.4,1198.6 ; v1(4946.7,1731.5) C263.2@4966.5,1714.4 ; C264.1@4972.4,1890 4972.4,1922 v1(4973.2,1922.8) ; R452.2@5066.2,1764.2 5066.2,1748.1 5079.9,1734.4 v1(5098.4,1734.4) 5098.2,1734.2 C261.1@5098.2,1650 ; v1(5080.5,639) 5080.5,611.5 NC57.1@5099,593 ; R451.1@5097.4,1560 5097.4,1528.9 v1(5126.7,1499.6) ; C251.1@5116.1,1128.8 5116.1,1128.4 5193,1128.4 v1(5221.1,1100.3) ; TP1100.1@5126.5,360.5 5126.5,321.3 5110.3,305.1 5110.3,197.9 5158.6,149.6 J5.6@5158.6,147.5 ; C249.2@5183.6,2058.4 5183.6,2027.3 v1(5189.2,2021.7) ; v1(5244.9,558.6) 5245.7,559.4 NC21.1@5245.7,589.2 ; C247.2@5307.3,1995 5335.5,1995 5348.8,2008.3 5348.8,2051.3 5322.6,2077.5 C248.2@5308.6,2077.5 ; R413.2@5309,2037.5 5324.6,2021.9 v1(5347.8,2021.9) ; v1(5345.1,1200.3) 5369.4,1200.3 5374.7,1195 R425.1@5399.9,1195 R426.1@5399.9,1235 ; C235.2@5505.3,863.8 5535.5,863.8 5539.1,860.2 C234.2@5539.1,798.8 ; C243.2@5556.1,1273.8 5565,1273.8 5588.8,1250 v2(5596.1,1250) 5600.3,1254.2 C241.2@5600.3,1284.3 ; R418.2@5556.1,1314.4 5556.3,1314.2 R416.2@5556.3,1195.3 5560.2,1199.2 5596.3,1199.2 5600.3,1195.2 C239.2@5600.3,1165.4 ; v2(5595.7,999.4) 5580.5,1014.6 C238.2@5556.3,1014.6 5556.3,935.3 5581.4,935.3 v2(5595.7,949.6) 5603.2,942.1 C197.1@5640.5,942.1 ; C240.2@5645.3,1283.8 5645.3,1250.2 v2(5645.7,1249.8) ; R390.2@6081.1,1684.1 6081.1,1663.4 v2(6095.7,1648.8) ; v2(6095.7,1574.6) 6105.7,1564.6 C217.1@6147.8,1564.6 ; C222.1@6125.9,1683.4 6125.9,1669.8 v2(6146.1,1649.6) ; C221.1@6165.3,1683.8 6165.3,1668.8 v2(6146.1,1649.6) ; C218.1@6169.4,1614.6 6158.4,1614.6 6146.1,1626.9 v2(6146.1,1649.6) ; R370.1@6223.6,799.2 R369.1@6263.6,799.2 6263.6,779.2 v1(6248.8,764.4) ; v2(6245.3,1300) 6264.8,1280.5 C206.1@6284,1280.5 ; C202.1@6283.2,1080.5 6264.4,1080.5 v2(6244.9,1100) 6264.5,1119.6 C203.1@6283.6,1119.6 ; C210.1@6284,1480 6264.1,1480 6246.5,1497.6 6246.5,1500.8 6265.3,1519.6 C211.1@6284.9,1519.6 ; C208.1@6284.4,1360 6260.7,1360 6248.6,1372.1 6248.6,1378.8 6270.3,1400.5 C209.1@6284.4,1400.5 ; R352.2@6439.4,1060 6459.2,1060 v1(6474.2,1075) ; U3.8@6530.5,1839.2 6530.5,1817.8 v1(6550.1,1798.2) ; v1(6621.1,1947.3) 6643.4,1969.6 6714.8,1969.6 C186.1@6736.9,1947.5 ; v1(6635.5,1763.2) 6635.5,1777.8 6646.9,1789.2 6671.1,1789.2 6671.1,1807.1 6641.9,1836.3 C188.1@6641.9,1850.5 ; Q4B.1@6669.4,1255.9 6685.9,1255.9 6697.8,1244 v1(6697.8,1229.4) ; U27.1@6682.8,2061.7 6721.5,2061.7 6732,2051.2 C187.2@6751.9,2051.2 ; NC55.2@6832.8,2020.9 6847.5,2020.9 v1(6861.7,2006.7) ; U9.8@6845.5,1858.4 6855.1,1858.4 6872.9,1876.2 C170.2@6910.7,1876.2 ; v1(6894.4,958) 6938.6,958 6950.5,946.1 C153.2@6950.5,906.7 ; NC40.1@6903.6,774.2 6903.6,645.1 6924.5,624.2 v1(6969.4,624.2) ; v1(7020.3,1673.8) 7020.3,1688 C167.2@7041.1,1708.8 ; R310.2@7234.4,1145.4 7265.2,1145.4 7293.6,1173.8 7293.6,1204.6 7304.4,1215.4 v1(7304.4,1224.6) 7300.2,1228.8 C145.2@7274.4,1228.8 ; R303.1@7254.4,929.6 7254.4,908.8 7239,893.4 C142.2@7239,868.8 7240.2,870 7257.8,870 7269,858.8 C141.1@7285.3,858.8 ; R305.1@7274,1038.8 7333.2,1038.8 v1(7344.4,1050) ; C160.2@7394,1739.6 7394,1772.1 v1(7395.7,1773.8) ; NC54.1@7444.9,1644.2 7445.3,1644.2 7469.4,1668.3 C159.1@7469.4,1708.4 ; C136.1@7453.6,944.6 R292.2@7453.6,1063.4 ; C137.1@7454,984.6 7494,984.6 v1(7494.4,985) ; NC59.2@7509.9,1636.4 7518.6,1645.1 C158.1@7518.6,1708.4 ; v1(7569.4,1349.6) 7570.6,1348.4 C131.1@7607.8,1348.4 ; R279.1@7607.4,1268.8 7607.4,1387.2 C132.1@7608.6,1388.4 ; C157.2@7619.4,1739.2 7619.4,1773.3 v1(7619.9,1773.8) ; v1(7758.6,894.2) C104.1@7795.3,894.2 ; C111.2@7764.4,1529.2 7784,1548.8 v1(7795.3,1548.8) ; R260.1@7828.6,813.8 7828.6,843.4 R261.1@7818.6,853.4 7818.6,862.9 7795.3,886.2 C104.1@7795.3,894.2 ; R263.1@7829,973.4 7829,943.8 R262.1@7819,933.8 7819,924.2 7795.3,900.5 C104.1@7795.3,894.2 ; C116.2@7894.9,1637.2 7894.9,1598.8 v1(7895.3,1598.4)